# Altium PCB Un_interruptable_power_supply_180534N_PCB.PcbDoc
Units mil, origin at the board's own origin, x right, y up, seen from the top; angles counter-clockwise.
Board outline 2490 x 1370 mil, 2 copper layers (Top Layer, Bottom Layer); 22 components, 22 nets, 104 pads, 0 vias.
Unrouted connection lines stored in the file: 1.
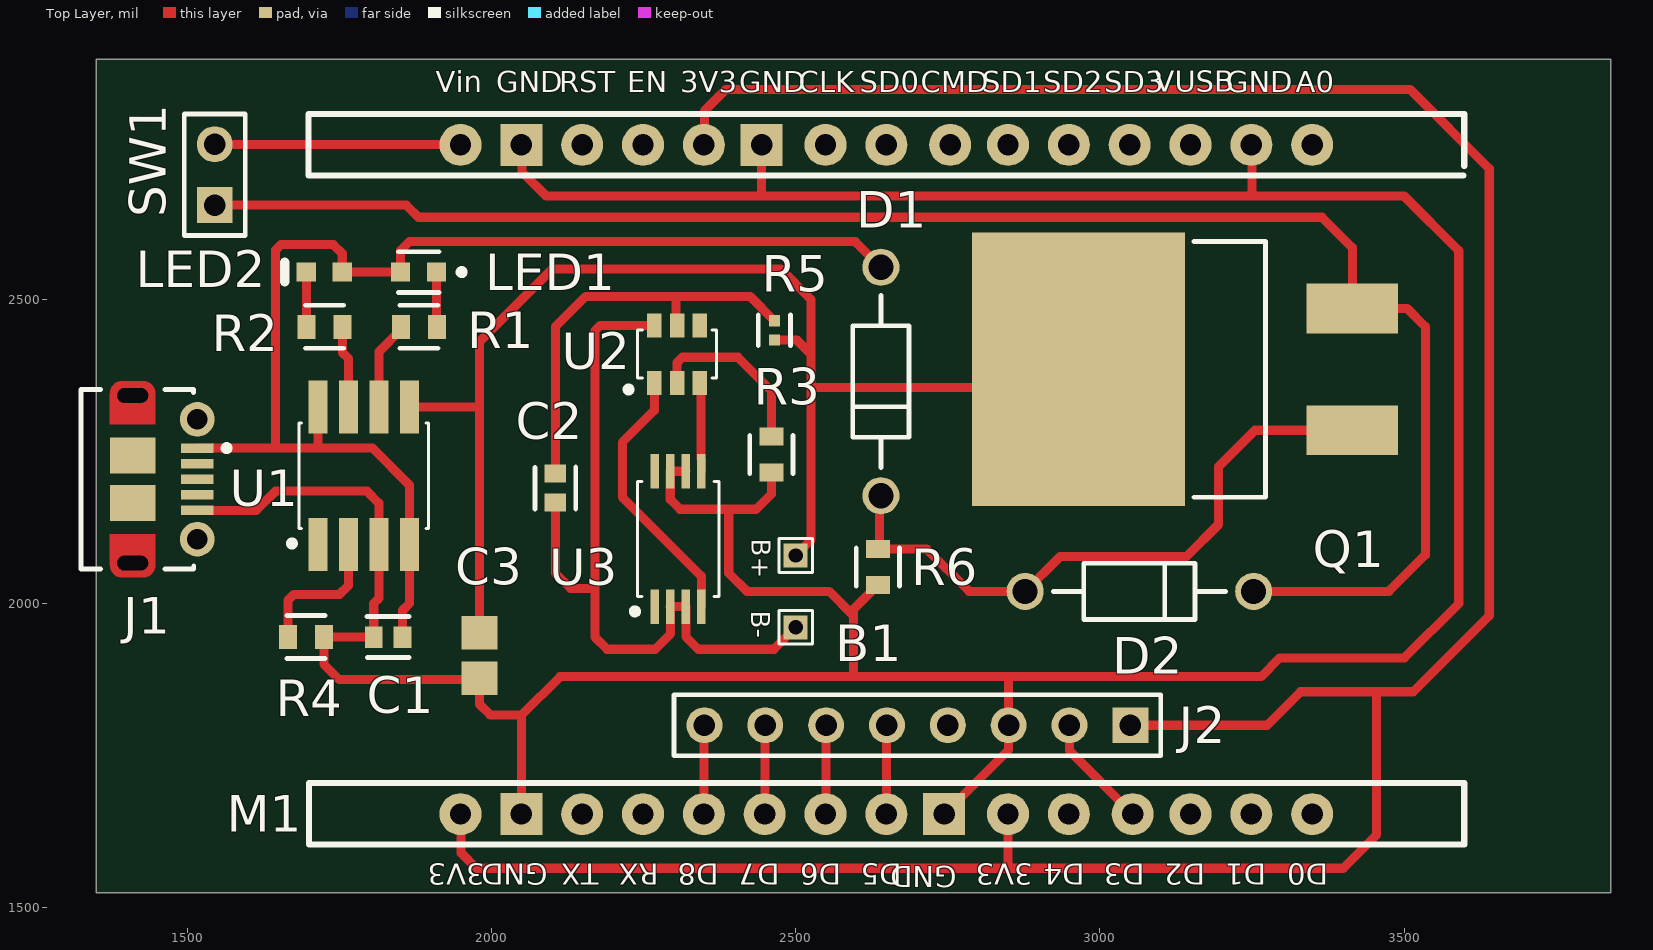
[diagram p0: Top Layer view]
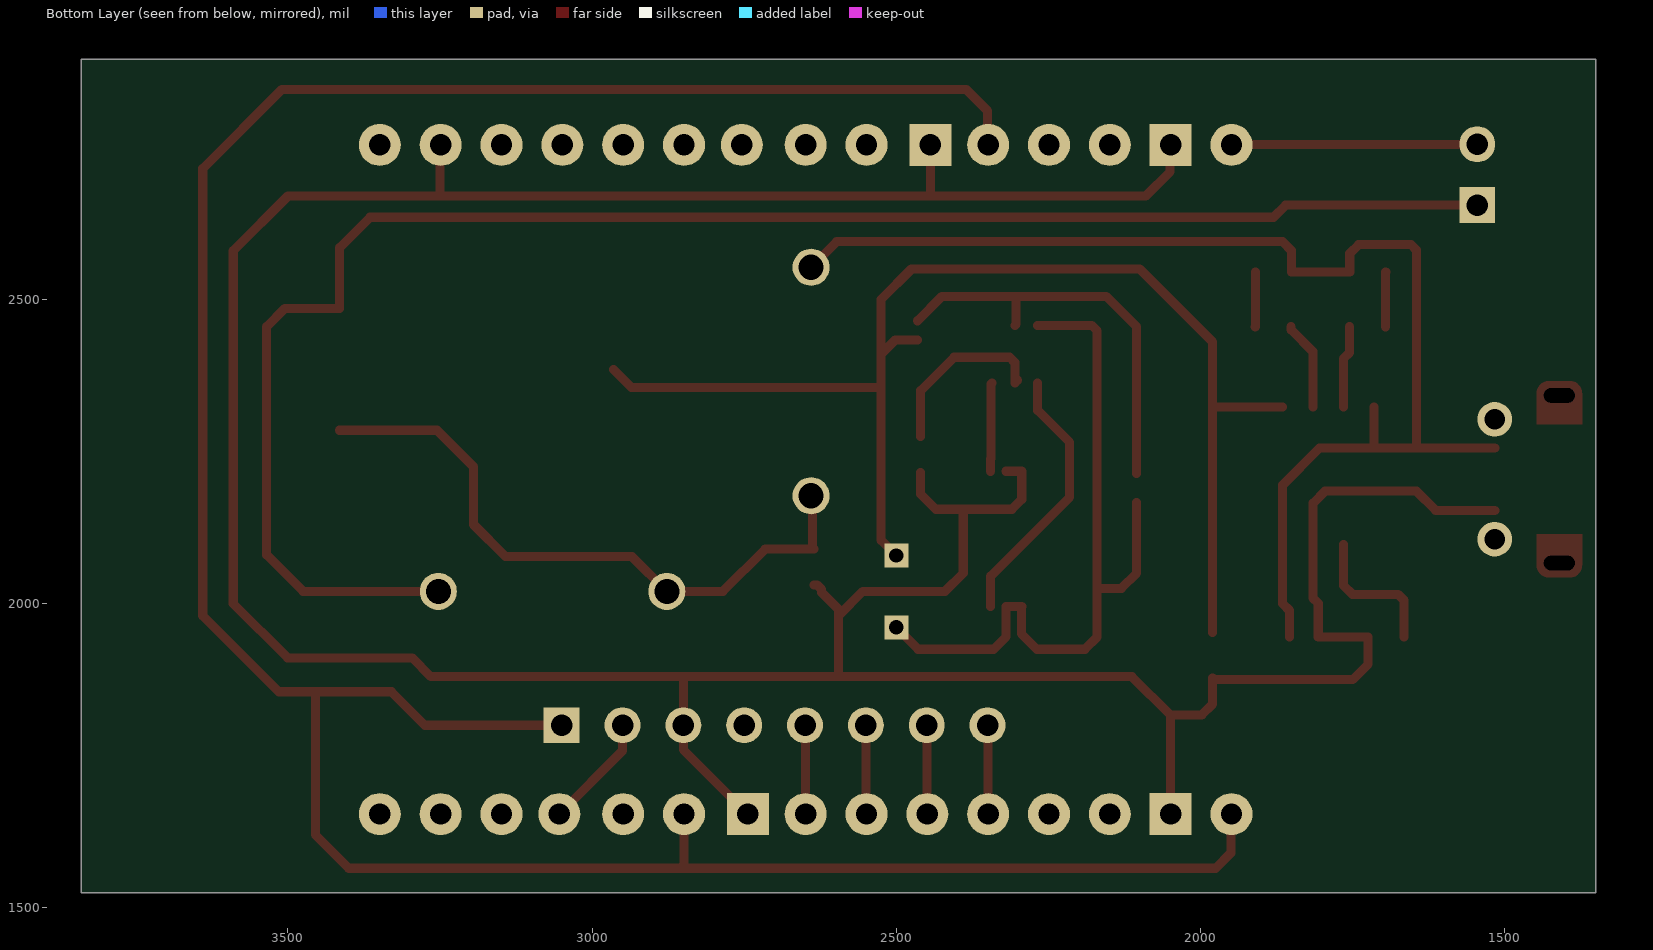
[diagram p1: Bottom Layer view, seen from below]
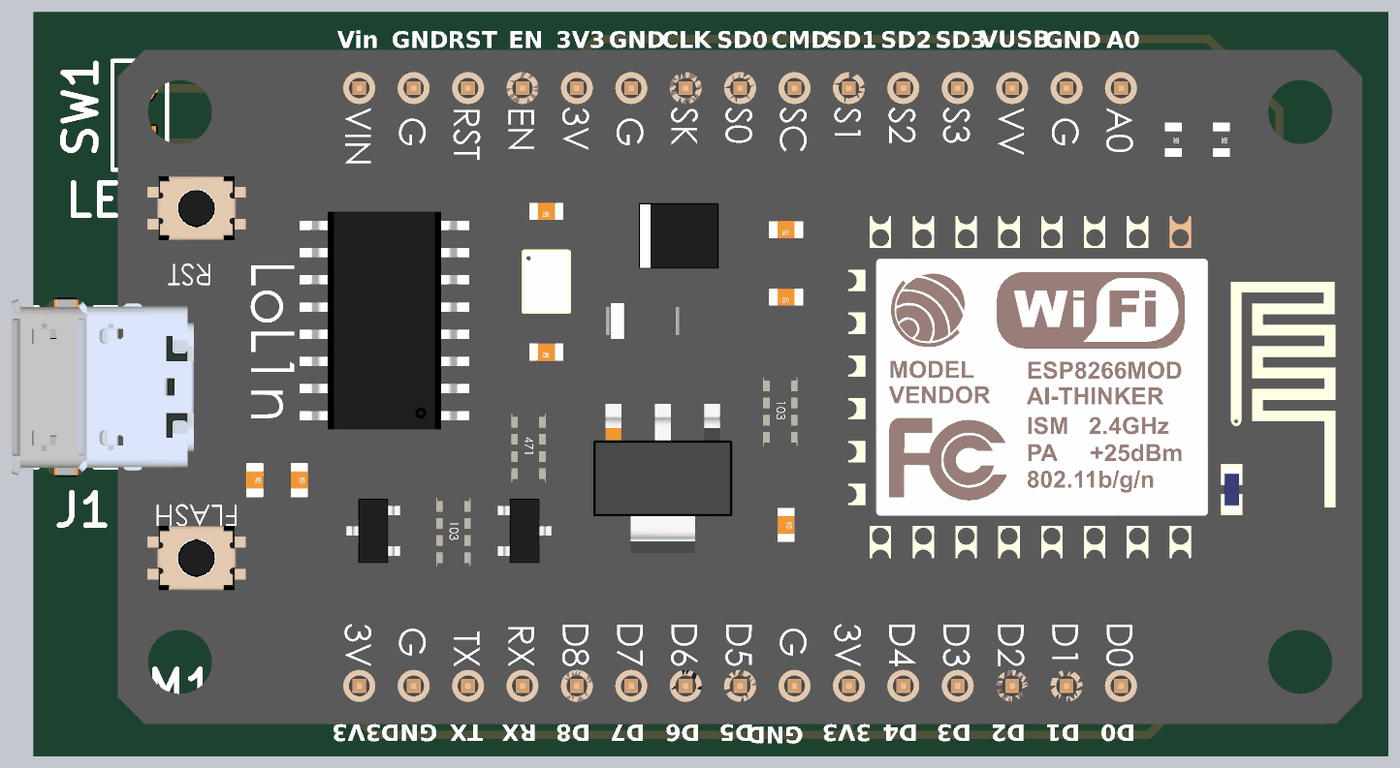
[diagram p2: 3D render of the assembled board from above, using the file's embedded part models]

## Layer stack, top to bottom
Top Solder: solder mask 0.4, Solder Resist, Dk 3.5
Top Layer: signal copper 1.4
Dielectric 1: dielectric 12.6, FR-4, Dk 4.8
Bottom Layer: signal copper 1.4
Bottom Solder: solder mask 0.4, Solder Resist, Dk 3.5

## Board outline
1350,1525 3840,1525 3840,2895 1350,2895

## Design rules (kind name [scope] priority, off if disabled: settings)
Clearance [All] p1: gap=10 ignorepadtopadclearanceinfootprint=FALSE except(8: Arc-SMDPad Track-SMDPad SMDPad-SMDPad)
PolygonConnect [All] p1: connectstyle=Relief reliefconductorwidth=10 reliefentries=4 polygonreliefangle="90 Angle" airgapwidth=10
RoutingVias [All] p1: holewidth=28 width=50 viastyle="Through Hole" minholewidth=28 minwidth=50 maxholewidth=28 maxwidth=50
SolderMaskExpansion [All] p1: expansion=4 istentingtop=FALSE
Width [All] p1: maxlimit=20 minlimit=10 preferedwidth=15 minimp=50.000000 maximp=50.000000 favimp=50.000000
30 further rules are at their usual default settings.

## Components (designator, comment, footprint, x,y, rotation, side; value= is the part's Value field where it differs from the comment)
B1 "18650 bat" "18650 Battery connect" 2500,2020 r270 top
C1 "0.1UF" FP-C0603C-CF-MFG 1830,1945 r180 top value="0.10 μF"
C2 "0.1UF" FP-C0603C-CF-MFG 2105,2190 r270 top value="0.10 μF"
C3 "10UF" MURA-0805_H_1.35_M 1980,1915 r90 top
D1 "1N4007" ONSC-AXIAL_LEAD-2-59-10_P 2640,2365 r90 top
D2 "1N4007" ONSC-AXIAL_LEAD-2-59-10_P 3065,2020 r180 top
J1 "Micro USB" USB-MICRO-B_V 1463.15,2204.37 r270 top
J2 "Header 8" HDR1X8 3050,1800 r180 top
LED1 "GREEN" FP-LTST-C190GKT-MFG 1880,2545 r180 top
LED2 "RED" AVAG-HSMX-C190_V 1725,2545 r180 top
M1 "NodeMCU V1.0 ESP-12E_1" "LoLin NodeMcu V3" 3595,2705 r270 top
Q1 "IRF9530NSTRLPBF" FP-PG-TO263-3-MFG 3140,2385 r90 top
R1 "1kΩ" FP-CRCW0603-e3-MFG 1880.47,2455 r0 top
R2 "1kΩ" FP-CRCW0603-e3-MFG 1725.47,2455 r180 top
R3 "1kΩ" FP-CRCW0603-e3-MFG 2460,2245 r270 top
R4 "1.2kΩ" FP-CRCW0603-e3-MFG 1695,1945 r180 top
R5 "100Ω" FP-CRCW0402-e3-IPC_C 2465,2449.17 r270 top
R6 "1kΩ" FP-CRCW0603-e3-MFG 2635,2060 r270 top
SW1 "Header 2" HDR1X2 1545,2655 r90 top
U1 "TP4056" "TP4056 IC - SOIC_8 Package" 1790,2210 r90 top
U2 "DW01A" "DW01A - SOT 23-6 PACKAGE" 2305,2410 r90 top
U3 "FS8205A" "FS8205A - TSSOP-8 PACKAGE" 2306.61,2106.22 r90 top

## Footprints (in the part's own frame and the unit in brackets; to place one, negate y for a bottom-side part, rotate by r counter-clockwise, add the part's x,y. Pads: shape width x height; smd on the part's side, far side on the other; paste and mask are expansions set on the pad)
"18650 Battery connect" [mm]
  rect 1x1 hole 0.6: 1(-1.5,0) 2(1.5,0)
  silkscreen extent -2.2,-0.7 2.2,0.7
AVAG-HSMX-C190_V [mm] "SMD, 2-Leads, Body 1.6x0.8mm, Height 0.9mm"
  rect 0.8x0.8 smd: 1(-0.75,0) 2(0.75,0)
  silkscreen extent 1.65,-0.4 1.65,0.4, body extent -0.8,-0.4 0.8,0.4, height 0.9
"DW01A - SOT 23-6 PACKAGE" [mm]
  rect 1x0.6 smd: 1(-1.2,0.95) 2(-1.2,0) 3(-1.2,-0.95) 4(1.2,-0.95) 5(1.2,0) 6(1.2,0.95)
  silkscreen extent -1.6,-1.65 1,2.15, body extent -1.42,-1.46 1.42,1.46, height 1.12
FP-C0603C-CF-MFG [mm]
  rect 0.75x0.9 smd paste+0 mask+0: 1(-0.6,0) 2(0.6,0)
  silkscreen extent -0.87,-0.85 0.88,0.85, body extent -1.2,-0.6 1.2,0.6, height 0.25
FP-CRCW0402-e3-IPC_C [mil]
  rect 18.43x18.6 smd paste+0 mask+0: 1(-15.83,0) 2(15.83,0)
  silkscreen extent -25,-27 25,27, body extent -29,-15 29,15, height 10
FP-CRCW0603-e3-MFG [mm]
  rect 0.75x1 smd paste+0 mask+0: 1(-0.75,0) 2(0.75,0)
  silkscreen extent -0.8,-0.9 0.8,0.9, body extent -1.22,-0.6 1.22,0.6, height 0.25
FP-LTST-C190GKT-MFG [mm]
  rect 0.8x0.8 smd paste+0 mask+0: 1(-0.75,0) 2(0.75,0)
  silkscreen extent -1.92,-0.85 0.85,0.85, body extent -1.25,-0.55 1.25,0.55, height 0.25
FP-PG-TO263-3-MFG [mm]
  rect 2.08x3.81 smd paste+0 mask+0: 1(-2.54,-6.985) 3(2.54,-6.985)
  rect 11.43x8.89 smd paste+0 mask+0: 4(0,4.445)
  silkscreen extent -5.34,-3.36 5.34,-0.38, body extent -5.81,-8.99 5.81,8.99, height 0.25
"FS8205A - TSSOP-8 PACKAGE" [mm]
  rect 1.45x0.35 smd: 1(-2.825,0.975) 2(-2.825,0.325) 3(-2.825,-0.325) 4(-2.825,-0.975) 5(2.825,-0.975) 6(2.825,-0.325) 7(2.825,0.325) 8(2.825,0.975)
  silkscreen extent -3.15,-1.7 2.4,1.92, body extent -3.2,-1.51 3.2,1.49, height 1.06
HDR1X2 [mm] "Connector; Header; 2 Position"
  rect 1.5x1.5 hole 0.9: 1(0,0)
  round 1.5 hole 0.9: 2(2.54,0)
  silkscreen extent -1.27,-1.27 3.81,1.27
HDR1X8 [mm] "Connector; Header; 8 Position"
  rect 1.5x1.5 hole 0.9: 1(0,0)
  round 1.5 hole 0.9: 2(2.54,0) 3(5.08,0) 4(7.62,0) 5(10.16,0) 6(12.7,0) 7(15.24,0) 8(17.78,0)
  silkscreen extent -1.27,-1.27 19.05,1.27
"LoLin NodeMcu V3" [mil]
  round 69 hole 35: 3V3(-49,-1246) 3V3(1051,-1646) 3V3(1051,-746) A0(-49,-246) CLK(-49,-1046) CMD(-49,-841) D0(1051,-246) D1(1051,-346) D2(1051,-446) D3(1051,-541) D4(1051,-646) D5(1051,-946) D6(1051,-1046) D7(1051,-1146) D8(1051,-1246) EN(-49,-1346) GND(-49,-346) RST(-49,-1446) RX(1051,-1346) SD0(-49,-946) SD1(-49,-746) SD2(-49,-646) SD3(-49,-546) TX(1051,-1446) VIN(-49,-1646) VUSB(-49,-446)
  rect 69x69 hole 35: GND(-49,-1151) GND(-49,-1546) GND(1051,-1546) GND(1051,-851)
  silkscreen extent -100,-1896 1101,4, body extent -120,-2164 1120,197, height 516
MURA-0805_H_1.35_M [mm] "SMD, 2-Leads, Body 2.1x1.35mm, IPC Low Density"
  rect 1.4x1.5 smd: 1(-0.95,0) 2(0.95,0)
  body extent -1.05,-0.67 1.05,0.67, height 1.35
ONSC-AXIAL_LEAD-2-59-10_P [mm] "AXIAL, 2-Leads, Diameter 2.35mm"
  round 1.55 hole 1.05: 1(-4.77,0) 2(4.77,0)
  silkscreen extent -3.59,-1.17 3.59,1.17
"TP4056 IC - SOIC_8 Package" [mm]
  rect 2.2x0.8 smd: 1(-2.87,1.905) 2(-2.87,0.635) 3(-2.87,-0.635) 4(-2.87,-1.905) 5(2.87,-1.905) 6(2.87,-0.635) 7(2.87,0.635) 8(2.87,1.905)
  silkscreen extent -2.95,-2.7 2.2,3.12, body extent -3.1,-2.5 3.1,2.5, height 1.95
USB-MICRO-B_V [mm] "USB, MICRO B, Body 7.491x4.695 mm, Pitch 0.65 mm"
  rect 0.4x1.35 smd: 1(-1.3,1.35) 2(-0.65,1.35) 3(0,1.35) 4(0.65,1.35) 5(1.3,1.35)
  round 1.45 hole 0.85: 6(-2.5,1.35) 7(2.5,1.35)
  rrect50% 0x0 hole 0.6 slot 1.3 at 90 deg: 8(-3.5,-1.35) 11(3.5,-1.35)
  rect 1.5x1.9 smd: 9(-1,-1.35) 10(1,-1.35)
  Top Layer circle w0.5: c-3.6,-1.8 r0.25
  Top Layer circle w0.5: c-3.6,-0.9 r0.25
  Top Layer circle w0.5: c3.6,-1.8 r0.25
  Top Layer circle w0.5: c3.6,-0.9 r0.25
  Top Layer region: -3.6,-1.8 -3.6,-0.9 -4.1,-0.9 -4.1,-1.8
  Top Layer region: 3.6,-0.9 3.6,-1.8 4.1,-1.8 4.1,-0.9
  Top Layer region: 2.3,-0.4 2.3,-2.3 3.6,-2.3 3.6,-0.4
  Top Layer region: -2.3,-2.3 -2.3,-0.4 -3.6,-0.4 -3.6,-2.3
  silkscreen extent -3.75,-3.5 3.75,2.7, body extent -4.1,-3.9 4.1,1.5, height 2.67

## Part data
B1: library part "18650 battery"
C1 C2: library part CMP-2006-03061-2, "CAP CER 0.1UF 50V X7R 0603", Capacitance="0.10 μF", Manufacturer=KEMET, Manufacturer Part Number=C0603C104K5RACTU, Package=C0603C-CF, Temperature="-55°C to +125°C", Temperature Characteristic=X7R, Temperature Coefficient=30ppm/°C, Temperature Range High=+125°C, Temperature Range Low=-55°C, Tolerance=0.1, Voltage Rating="50 V", Automotive=Yes, Automotive Grade="Grade 1", Category=Cap, ComponentLink2Description=Datasheet, ComponentLink2URL=https://api.kemet.com/component-edge/download/datasheet/C0603C100J5GACAUTO.pdf, Device Class L1="Passive Components", Device Class L2=Capacitors, Device Class L3="Ceramic Capacitors", Digikey Description="CAP CER 0.1UF 50V X7R 0603", Height=0.87mm, Lead Free=Yes, Material=Ceramic, Octopart=https://octopart.com/c0603c104k5ractu-kemet-139244, RoHS=TRUE
C3: library part CMP-2000-05254-1, "CAP, Ceramic, 10 uF, 10%, 10 V, 0805, RoHS, Tape and Reel", Capacitance=10µF, Manufacturer=Murata, Operating Temperature=-55degC~85degC, Package / Case=0805(2012Metric), Package Description="2-Pin Surface Mount Device (0805), Body 2.1 x 1.35 mm", Package Reference=805, Ratings=-, Standard Package=1, Temperature Coefficient=X5R, Tolerance=±10%, Voltage - Rated=10V, Applications=GeneralPurpose, Catalog Drawings=GRMSeries_0805_1.25, Category=Capacitors, Datasheet URL=https://datasheet.ciiva.com/3777/210grm21br61a106ke1923-3777175.pdf, Datasheet Version=Aug-14, Family=CeramicCapacitors, Featured Product=GA3SafetyRecognizedCapsandHi-CapMLCC, Features=-, Height - Seated (Max)=-, Lead Spacing=-, Lead Style=-, Manufacturer URL=http://www.murata.com/, Mounting Type=SurfaceMount,MLCC, Online Catalog=GRMSeries, Other Names=490-1709-6, Packaging=Digi-Reel, Product Training Modules=High-CapMultilayerCeramicCapacitors, Series=GRM, Size / Dimension="0.079\"Lx0.049\"W(2.00mmx1.25mm)", Thickness (Max)="0.053\"(1.35mm)"
D1 D2: library part CMP-0902-00142-1, "Standard Recovery Rectifier, 2-Pin Axial_Lead, Pb-Free, Bulk Bag", Manufacturer="On Semiconductor", ComponentLink1Description="Manufacturer URL", ComponentLink1URL=http://www.onsemi.com/, ComponentLink2Description=Datasheet, ComponentLink2URL=http://www.onsemi.com/pub_link/Collateral/1N4001-D.PDF, ComponentLink3Description="Package Specification", ComponentLink3URL=http://www.onsemi.cn/pub_link/Collateral/59-10.PDF, DatasheetVersion="Rev. 13", IFSM Max (A)=30, IO(rec) Max (A)=1, Mounting Technology="Through Hole", PackageDescription="2-Pin, Axial Lead, Diameter 2.35 mm", PackageReference=AXIAL_LEAD-2-59-10, PackageVersion="Rev. U, 02/2005", Packing="Bulk Bag", PartNumber=1N4007, RoHS=TRUE, Type="Standard Recovery", VRRM Max (V)=1000
J1: library part CMP-2000-05827-1, "Micro-USB B Receptacle, Right Angle, Bottom Mount, Surface Mount, with Solder Tabs, -30 to 85 degC, 5-Pin USB, RoHS, Tape and Reel", Manufacturer=Molex, Package Description="5-Leads USB, Micro B, Body 7.5 x 5 mm, Pitch 0.65 mm", Package Reference=MICRO-B, Package Version="Rev. F, 12/2012", Standard Package=1, Voltage - Max=30V, 3D Model=105017-0001.stp, Catalog Drawings=1050170001, Category=Connectors,Interconnects, Circuits=5, Connector Type=USB-microB, Datasheet URL=http://www.molex.com/elqNow/elqRedir.htm?ref=http://www.molex.com/webdocs/datasheets/pdf/en-us/1050170001_IO_CONNECTORS.pdf, Datasheet Version=03/2016, Family=USB,DVI,HDMIConnectors, Featured Product=Micro-USBConnectorsUSBConnectors, Features=Shielded,SolderRetention, Gender=Receptacle, Ingress Protection=-, Manufacturer URL=http://www.molex.com/, Mating Products=WM17145-ND-CABLEMICROUSBBTOSTDA1.0MWM17147-ND-CABLEMICROUSBBTOSTDA2.0MWM17146-ND-CABLEMICROUSBBTOSTDA1.5M, Mounting Technology=SurfaceMount, Mounting Type=BoardCutout,SurfaceMount,RightAngle, Number of Contacts=5, Online Catalog=Molex-MicroUSB, Other Names=WM1399DKR, Package URL=http://www.molex.com/pdm_docs/sd/1050170001_sd.pdf, Packaging=Digi-Reel®, PCN Assembly/Origin=ResinSupplier21/Oct/2015, RoHS Information=1050170001CertofCompliance, Series=-, Specifications=-
J2: "Header, 8-Pin", LatestRevisionDate=17-Jul-2002, LatestRevisionNote="Re-released for DXP Platform.", Publisher="Altium Limited"
LED1: library part CMP-22017-000005-2, "LED GREEN CLEAR CHIP SMD", Case Code (Imperial)=0603, Case Code (Metric)=1608, Color=Green, Forward Current=30mA, Forward Voltage=2.1V, Lens Color=Colorless, Max Operating Temperature=85°C, Min Operating Temperature=-55°C, Package Quantity=1, Power Dissipation=100mW, Reverse Voltage=5V, Test Current=10mA, Voltage=2V, Case/Package=0603, Depth=0.8mm, Dominant Wavelength=569nm, Height=0.8mm, Illumination Color=Green, Lead Free="Lead Free", Length=1.6mm, Lens Style=Clear, Lens Transparency=Clear, Luminous Intensity=6mcd, Mount="Surface Mount", Number of Elements=1, Number of LEDs=1, Number of Pins=2, Packaging="Tape and Reel", Power Rating=100mW, Radiation Hardening=No, Viewing Angle=130°, Wavelength=565nm, Width=0.8mm
LED2: library part CMP-1744-00004-1, "LED Uni-Color Red, 65 mW, 20 mA, -40 to 85 degC, 2-Pin SMD, RoHS, Tape and Reel", Current Rating="1 A", Max Operating Temperature="85 degC", Min Operating Temperature="-30 degC", Package Quantity=2000, ComponentLink1Description="Manufacturer URL", ComponentLink1URL=http://www.avagotech.com/, ComponentLink2Description=Datasheet, ComponentLink2URL=http://docs.avagotech.com/docs/AV02-0551EN, ComponentLink3Description="Package Specification", ComponentLink3URL=http://www.fairchildsemi.com/dwg/MA/MA03D.pdf, Connector Type=USB, Contact Material=Copper, Contact Plating=Gold, DatasheetVersion=Mar-12, Gender=Male, Height="2.8 mm", Lead Pitch="0.65 mm", Length="7.5 mm", Mount="Surface Mount", PackageDescription="2-Pin Surface Mount Device, Body 1.6 x 0.8 mm, Height 0.9 mm", PackageReference=HSMX-C190, Packaging="Tape and Reel", Pins=5, REACH SVHC="No SVHC", RoHSCompliant=true, Width="5.6 mm"
M1: "LoLin NodeMCU V3"
Q1: library part CMP-32901-000018-2, "MOSFET P-CH 100V 14A D2PAK", Case/Package=D2PAK, Continuous Drain Current (ID)=14A, Drain to Source Breakdown Voltage=-100V, Drain to Source Resistance=200mR, Gate to Source Voltage (Vgs)=20V, Input Capacitance=760pF, Max Operating Temperature=175°C, Max Power Dissipation=3.8W, Min Operating Temperature=-55°C, Power Dissipation=79W, Contact Plating=Tin, Drain to Source Voltage (Vdss)=-100V, Halogen Free="Not Halogen Free", Height=0.19inch, Lead Free="Contains Lead", Length=0.42inch, Max Dual Supply Voltage=-100V, Mount="Surface Mount", Number of Pins=3, Packaging="Tape and Reel", Rds On Max=200mR, Rise Time=58ns, RoHS Compliant=Yes, Turn-Off Delay Time=45ns, Turn-On Delay Time=15ns, Width=0.38inch
R1 R2 R3 R6: library part CMP-1666-00003-5, "RES Thick Film, 1kΩ, 1%, 0.1W, 100ppm/°C, 0603", Case Code (Imperial)=0603, Case Code (Metric)=1608, Max Operating Temperature=155°C, Max Power Dissipation=100mW, Min Operating Temperature=-55°C, Package Quantity=10, Resistance=1kR, Temperature Coefficient=100ppm/°C, Tolerance=1%, Voltage Rating=75V, Case/Package=0603, Composition="Thick Film", Contact Plating=Tin, Depth=0.85mm, Features="Automotive AEC-Q200", Height=0.45mm, Lead Free="Lead Free", Length=1.55mm, Military Standard=Not, Mount="Surface Mount", Number of Pins=2, Number of Terminations=2, Packaging="Tape and Reel", Power Rating=100mW, Radiation Hardening=No, Termination=SMD/SMT, Voltage Rating (DC)=75V, Weight=7.1E-05oz, Width=0.033inch
R4: library part CMP-2000-02982-2, "RES Thick Film, 1.2kΩ, 1%, 0.1W, 100ppm/°C, 0603", Case Code (Imperial)=0603, Case Code (Metric)=1608, Max Operating Temperature=155°C, Max Power Dissipation=100mW, Min Operating Temperature=-55°C, Package Quantity=10, Resistance=1.2kR, Temperature Coefficient=100ppm/°C, Tolerance=1%, Voltage Rating=75V, Case/Package=0603, Composition="Thick Film", Contact Plating=Tin, Depth=0.85mm, Features="Automotive AEC-Q200", Height=0.45mm, Lead Free="Lead Free", Length=1.55mm, Military Standard=Not, Mount="Surface Mount", Number of Terminations=2, Packaging="Tape and Reel", Power Rating=100mW, Radiation Hardening=No, Termination=SMD/SMT, Voltage Rating (DC)=75V, Weight=7.1E-05oz, Width=0.033inch
R5: library part CMP-1011-00397-3, "RES Thick Film, 100Ω, 1%, 0.063W, 100ppm/°C, 0402", Case Code (Imperial)=0402, Case Code (Metric)=1005, Max Operating Temperature=155°C, Max Power Dissipation=63mW, Min Operating Temperature=-55°C, Package Quantity=10, Resistance=100R, Temperature Coefficient=100ppm/°C, Tolerance=1%, Voltage Rating=50V, Case/Package=0402, Composition="Thick Film", Contact Plating=Tin, Depth=0.5mm, Features="Automotive AEC-Q200", Height=0.35mm, Lead Free="Lead Free", Length=1mm, Military Standard=Not, Mount="Surface Mount", Number of Terminations=2, Packaging="Tape and Reel", Power Rating=63mW, Radiation Hardening=No, Termination=SMD/SMT, Voltage Rating (DC)=50V, Weight=2.3E-05oz, Width=0.02inch, Working Voltage=50V
SW1: "Header, 2-Pin", LatestRevisionDate=17-Jul-2002, LatestRevisionNote="Re-released for DXP Platform.", Publisher="Altium Limited"
U1: "18650 single cell charge controller/ Constant current, Constant Voltage available/ Max input 4.5V~6V/ Max current 1A/ Float voltage 4.2V"
U2: "18650 Battery Protection IC/ Provide over current, over charge and over discharge protection"
U3: "Dual N channel MOSFET"

## Nets (pads, with @x,y where several pads share a name; then routed paths per layer and width w, separated by ;. In a path a pad name is that pad's centre, name@x,y a point inside that pad or via, vN(x,y) a via of type N, cw(c..) or ccw(c..) an arc to the next point about the centre after c; other vN are vias at no path point)
GND: C1.2 C3.1 J1.5 J2.3 M1.GND R3.2 R4.1 R6.2 U1.1 U1.3 U3.6 U3.7 | length 6294.1
  Top Layer w15: J1.5 1613.19,2153.19 1645,2185 1795,2185 1814.76,2165.24 U1.3@1814.76,2097.01 ; U1.3 1815,2008.89 1806.38,2000.27 C1.2 R4.1 1724.53,1900.47 1750,1875 1977.4,1875 C3.1 1980,1835 1997.86,1817.14 2050,1817.14 ; M1.GND@2049,1654 2049,1816.14 2050,1817.14 ; M1.GND@2049,2754 2050,2753 2050,2710 2090,2670 2440,2670 ; U3.6 U3.7 2293.82,2171.18 2310,2155 2390,2155 ; M1.GND@2444,2754 2444,2674 2440,2670 ; R3.2 2460,2180 2435,2155 2390,2155 ; R6.2 2630.08,2030.47 2622.81,2023.21 2622.81,2018.29 2595,1990.47 2595,1980 ; M1.GND@2744,1654 2850,1760 J2.3 2850,1880 ; M1.GND@3249,2754 3250,2753 3250,2670 ; 2050,1817.14 2112.86,1880 2595,1880 ; 2390,2155 2390,2050 2420,2020 2555,2020 2595,1980 ; 2440,2670 3250,2670 ; 2595,1880 2850,1880 ; 2595,1880 2595,1980 ; 2850,1880 3265,1880 3295.63,1910.63 3500.63,1910.63 3590,2000 3590,2580 3500,2670 3250,2670
NetB1_1: B1.1 C3.2 Q1.4 R5.2 U1.5 | length 2162.2
  Top Layer w15: U1.5 1977.99,2322.99 1980,2325 ; C3.2 1980,2325 ; R5.2 2501.67,2433.33 2509.99,2425.01 2525,2410 ; B1.1 2525,2104.06 2525,2355 ; Q1.4 2935,2355 2525,2355 ; 1980,2325 1980,2430 2100,2550 2475,2550 2525,2500 2525,2410 ; 2525,2355 2525,2410
NetB1_2: B1.2 C2.2 U2.6 U3.2 U3.3 | length 1263.4
  Top Layer w15: C2.2 2105,2050 2130,2025 2170,2025 ; U2.6 2178.79,2457.24 2170,2448.46 2170,2025 ; B1.2 2464.06,1925 2340,1925 2319.41,1945.59 U3.3 U3.2 2294.43,1994.39 2294.43,1950.57 2268.86,1925 2190,1925 2170,1945 2170,2025
NetC1_1: C1.1 D1.2 J1.1 LED1.2 LED2.1 U1.4 U1.8 | length 2119.6
  Top Layer w15: J1.1 1650,2255.55 ; U1.8 1715,2260 1710.55,2255.55 ; LED2.1 1754.52,2575.48 1740,2590 1653.79,2590 1645,2581.21 1645,2260.55 1650,2255.55 ; LED2.1 LED1.2 1850.47,2580.47 1865,2595 2597.8,2595 D1.2 ; C1.1 1853.62,1988.62 1865,2000 U1.4 1865,2195 1804.45,2255.55 1710.55,2255.55 ; 1650,2255.55 1710.55,2255.55
NetC2_1: C2.1 R5.1 U2.5 | length 687.2
  Top Layer w15: C2.1 2105,2455 2155,2505 2303.11,2505 ; U2.5 2303.11,2459.14 2303.11,2505 ; R5.1 2464.92,2465 2424.92,2505 2303.11,2505
NetD1_1: D1.1 D2.2 Q1.1 R6.1 | length 1064
  Top Layer w15: D1.1 2637.5,2174.7 2637.5,2092.03 R6.1 2715.47,2089.53 2785,2020 D2.2 2934.41,2077.2 3142.2,2077.2 3195,2130 3195,2225 3255,2285 Q1.1
NetD2_1: D2.1 Q1.3 SW1.1 | length 2813.5
  Top Layer w15: SW1.1 1860,2655 1880,2635 3365,2635 3415,2585 Q1.3 3505,2485 3535,2455 3535,2080 3475,2020 D2.1
NetJ2_1: J2.1 M1.3V3 | length 4750.4
  Top Layer w15: M1.3V3@1945,1650 1949,1654 1950,1653 1950,1590 1975,1565 2855,1565 ; M1.3V3@2349,2754 2350,2755 2350,2810 2385,2845 3510,2845 3640,2715 3640,1980 3515,1855 3455,1855 ; M1.3V3@2850,1655 2849,1654 2849,1571 2855,1565 ; J2.1 3275,1800 3330,1855 3455,1855 ; 2855,1565 3400,1565 3455,1620 3455,1855
NetJ2_2: J2.2 M1.D3 | length 189.1
  Top Layer w15: J2.2 2950,1758 M1.D3
NetJ2_5: J2.5 M1.D5 | length 147.1
  Top Layer w15: M1.D5@2649.5,1653.5 M1.D5 2649.5,1654.5 2649.5,1799.5 J2.5
NetJ2_6: J2.6 M1.D6 | length 147.1
  Top Layer w15: M1.D6@2549.5,1653.5 M1.D6 2549.5,1654.5 2549.5,1799.5 J2.6
NetJ2_7: J2.7 M1.D7 | length 147.1
  Top Layer w15: M1.D7@2449.5,1653.5 M1.D7 2449.5,1654.5 2449.5,1799.5 J2.7
NetJ2_8: J2.8 M1.D8 | length 146.4
  Top Layer w15: M1.D8 2349.5,1654.5 2349.5,1799.5 J2.8
NetLED1_1: LED1.1 R1.2 | length 90.2
  Top Layer w15: LED1.1 1909.76,2544.76 1909.76,2455.24 R1.2
NetLED2_2: LED2.2 R2.2 | length 90.2
  Top Layer w15: LED2.2 1695.71,2544.76 1695.71,2455.24 R2.2
NetM1_VIN: M1.VIN SW1.2 | length 404.4
  Top Layer w15: SW1.2 1545.5,2754.5 1948.5,2754.5 M1.VIN
NetR1_1: R1.1 U1.6 | length 146.9
  Top Layer w15: U1.6 1815,2414.13 1850.94,2450.08 R1.1
NetR2_1: R2.1 U1.7 | length 136.2
  Top Layer w15: R2.1 1755,2412.51 1765,2402.51 U1.7
NetR3_1: R3.1 U2.2 | length 296.4
  Top Layer w15: U2.2@2300.69,2367.07 U2.2 2305,2396.21 2313.79,2405 2405,2405 2460,2350 R3.1
NetR4_2: R4.2 U1.2 | length 237.2
  Top Layer w15: R4.2 1665.47,2005.47 1675,2015 1750,2015 1765,2030 U1.2
NetU2_1: U2.1 U3.4 | length 443.4
  Top Layer w15: U2.1 2267.6,2317.6 2215,2265 2215,2175 2345,2045 U3.4
NetU2_3: U2.3 U3.5 | length 146.4
  Top Layer w15: U2.3 2344.39,2360.77 2344.39,2238.48 2345,2237.87 U3.5
pads on no net: J1.2 J1.3 J1.4 J1.6 J1.7 J1.8 J1.9 J1.10 J1.11 J2.4 M1.A0 M1.CLK M1.CMD M1.D0 M1.D1 M1.D2 M1.D4 M1.EN M1.RST M1.RX M1.SD0 M1.SD1 M1.SD2 M1.SD3 M1.TX M1.VUSB U2.4 U3.1 U3.8

## Text inside footprints (layer, text, board x,y; h text height)
B1: Top Overlay "B+" at 2428.15,2106.61 h31.5 r270; Top Overlay "B-" at 2427.17,1988.5 h31.5 r270
J1: Mechanical 1 "PCB EDGE" at 1348.98,2487.83 h11.81 r270
M1: Top Overlay "CLK" at 2505,2829 h60; Top Overlay "SD0" at 2605.43,2829 h60; Top Overlay "SD1" at 2806.29,2829 h60; Top Overlay "SD2" at 2906.71,2829 h60; Top Overlay "SD3" at 3007.14,2829 h60; Top Overlay "VUSB" at 3090,2830 h60; Top Overlay "GND" at 3208,2829 h60; Top Overlay "A0" at 3322,2829 h60; Top Overlay "D5" at 2674,1584 h60 r180; Top Overlay "GND" at 2765,1580 h60 r180; Top Overlay "3V3" at 2889.99,1584 h60 r180; Top Overlay "D4" at 2975,1584 h60 r180; Top Overlay "D3" at 3073.42,1584 h60 r180; Top Overlay "D2" at 3173.42,1584 h60 r180; Top Overlay "D1" at 3273.65,1584 h60 r180; Top Overlay "D0" at 3375,1584 h60 r180; Top Overlay "CMD" at 2705.86,2829 h60; Top Overlay "D6" at 2574.88,1584 h60 r180; Top Overlay "3V3" at 1989,1584 h60 r180; Top Overlay "GND" at 2092.8,1584 h60 r180; Top Overlay "TX" at 2176,1584 h60 r180; Top Overlay "RX" at 2274.94,1584 h60 r180; Top Overlay "D8" at 2373.89,1584 h60 r180; Top Overlay "D7" at 2473.77,1584 h60 r180; Top Overlay "Vin" at 1908,2829 h60; Top Overlay "GND" at 2008,2829 h60; Top Overlay "RST" at 2111,2829 h60; Top Overlay "EN" at 2223,2829 h60; Top Overlay "3V3" at 2310,2829 h60; Top Overlay "GND" at 2407,2829 h60